# KiCad board SparkPNT_GPSDO_panelized.kicad_pcb (continued)
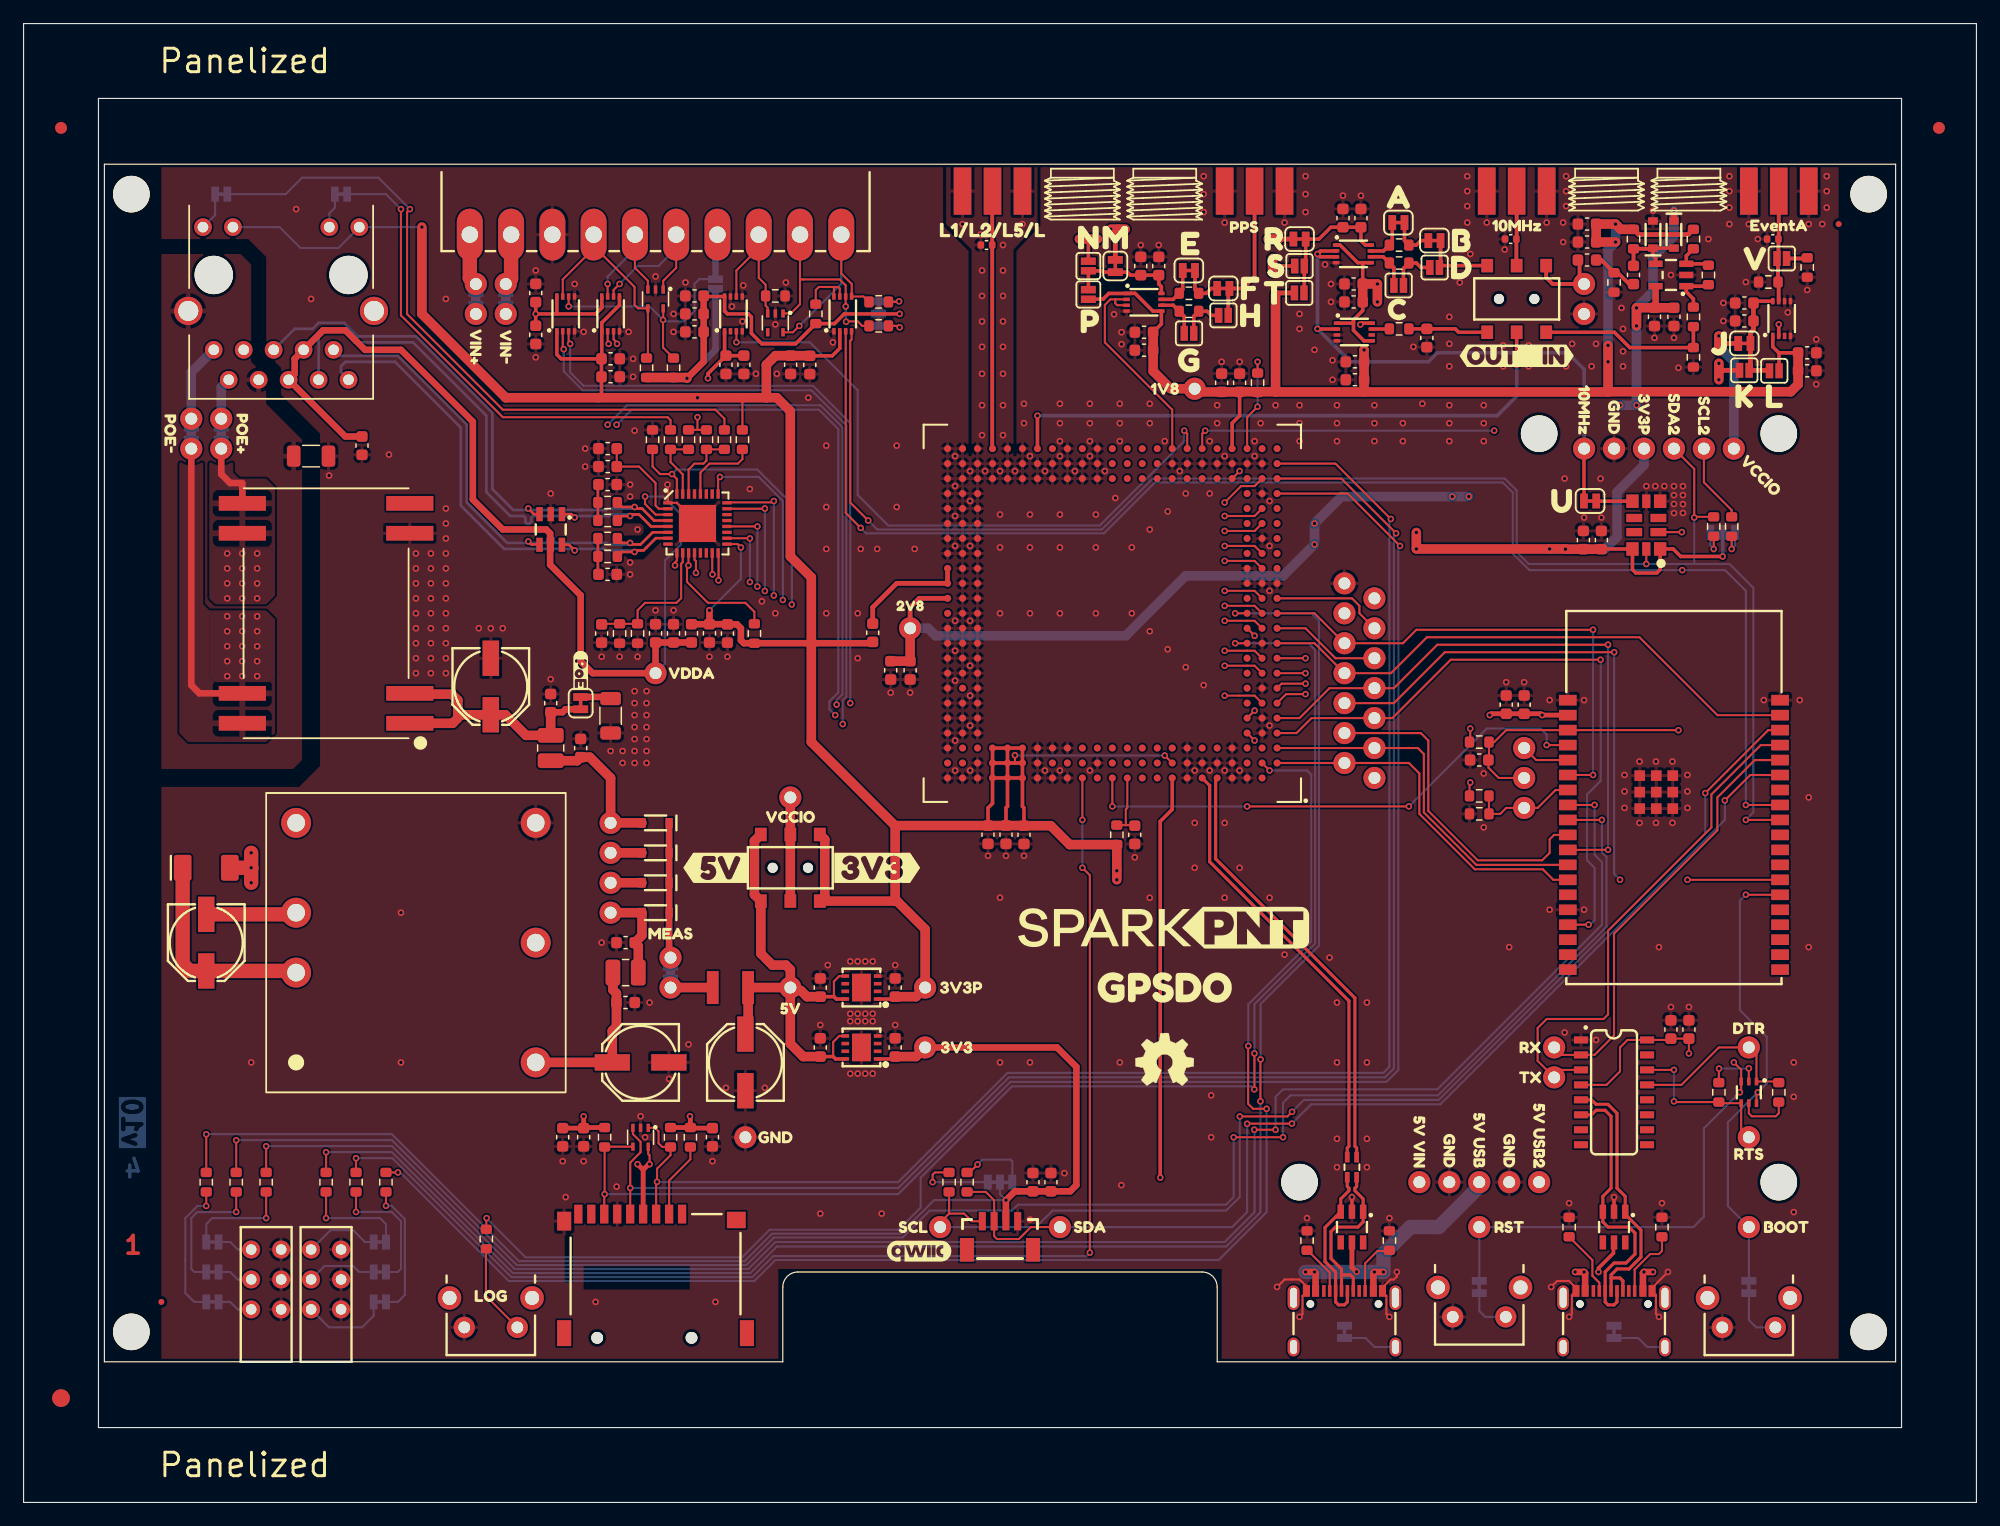
[diagram p0: board, top side]
## Nets (continued)
GND: C1.2 C2.2 C3.1 C4.2 C5.2 C6.2 C7.2 C8.2 C9.2 C10.2 C11.1 C12.2 C13.2 C14.2 C15.2 C16.2 C17.2 C18.2 C19.2 C20.2 C21.2 C22.2 C23.2 C24.2 C25.2 C26.2 C27.2 C28.2 C29.2 C30.2 C31.2 C32.2 C33.2 C34.2 C36.2 C37.2 C38.2 C39.2 C40.2 C41.2 C42.2 C43.2 C44.2 C45.2 C46.2 C47.2 C48.2 C49.2 C50.2 C51.2 C52.2 C53.2 C54.2 C55.2 C56.2 C57.2 C59.2 C60.2 C61.2 C62.2 C63.2 C64.2 C65.2 C66.2 C67.2 C68.2 C69.2 C70.2 C71.2 C72.2 C73.2 C74.2 D1.1 D2.2 D3.2 D6.2 D7.2 D11.CATHODE_1 D11.CATHODE_2 D11.CATHODE_3 D12.CATHODE_1 D12.CATHODE_2 D12.CATHODE_3 D13.2 D14.2 D15.1 D17.1 D18.A J1.2 J2.GND J3.2 J4.GND J6.6 J6.10 J7.1 J8.2 J9.8 J12.2 JP8.1 JP9.1 R8.2 R9.1 R10.1 R14.1 R15.1 R24.2 R25.2 R26.2 R36.1 R43.2 R44.2 R47.1 R50.1 R59.1 SW1.1 SW2.1 SW3.1 TP6.1 TP30.1 TP32.1 TP44.1 TP49.1 TP50.1 U1.1 U1.15 U1.38 U1.39.1 U1.39.2 U1.39.3 U1.39.4 U1.39.5 U1.39.6 U1.39.7 U1.39.8 U1.39.9 U2.A3 U2.A4 U2.A7 U2.A15 U2.A16 U2.A17 U2.A21 U2.A22 U2.A23 U2.AA13 U2.AA14 U2.AA15 U2.AA16 U2.AA17 U2.AA18 U2.AA19 U2.AA20 U2.AA21 U2.AA22 U2.AA23 U2.AB2 U2.AB3 U2.AB4 U2.AB5 U2.AB6 U2.AB7 U2.AB8 U2.AB13 U2.AB14 U2.AB15 U2.AB16 U2.AB17 U2.AB18 U2.AB19 U2.AB20 U2.AB21 U2.AB22 U2.AB23 U2.AC13 U2.AC15 U2.AC18 U2.AC19 U2.AC21 U2.AC22 U2.AC23 U2.B4 U2.B5 U2.B6 U2.B7 U2.B13 U2.B17 U2.B21 U2.C4 U2.C7 U2.C15 U2.C16 U2.C17 U2.C23 U2.D2 U2.D21 U2.D22 U2.D23 U2.E2 U2.E21 U2.E22 U2.E23 U2.F21 U2.F22 U2.F23 U2.G2 U2.G21 U2.G23 U2.H21 U2.H22 U2.H23 U2.J21 U2.J22 U2.J23 U2.K2 U2.K21 U2.K22 U2.K23 U2.L21 U2.L22 U2.L23 U2.M21 U2.M22 U2.N21 U2.N22 U2.P1 U2.P2 U2.P3 U2.P21 U2.P22 U2.R3 U2.R21 U2.R22 U2.T21 U2.T22 U2.T23 U2.U2 U2.U21 U2.U22 U2.U23 U2.V21 U2.V22 U2.V23 U2.W21 U2.W22 U2.W23 U2.Y2 U2.Y21 U2.Y22 U2.Y23 U3.1 U4.1 U4.EP U5.4 U5.9 U6.4 U7.3 U8.4 U9.4 U9.5 U10.4 U10.5 U10.6 U11.4 U11.9 U12.4 U12.5 U12.7 U13.4 U13.5 U14.3 U14.4 U15.4 U16.4 U17.2 U18.1
GND-ISO: C9.1 J5.7 J5.S1 J5.S2
VCCIO: C41.1 C42.1 C45.1 C46.1 C53.1 J.1.2 JP15.2 JP22.2 M.1.2 R16.1 R41.1 R53.2 R.1.2 SW4.2 SW4.5 TP40.1 TP48.1 U8.8 U9.8 U12.8
VDDA: C10.1 C26.1 C27.1 D6.5 J5.4 J5.5 L2.1 TP23.1 U4.3
VIN+: JP4.2 U7.5 U7.6
VIN-: JP5.2 U7.7 U7.8
VIN_DC: C34.1 D9.A L3.2 TP2.1
VIN_POE: C38.1 D10.A L4.2 TP3.1
10MHz: TP33.1 U14.2 U15.2 U15.3 U.1.2
10MHz_1.8V: C55.1 R30.1 SW5.3
10MHz_IN: C75.1 SW5.4 TP42.1
10MHz_IN_1.8V: R58.1 R59.2 SW5.1
10MHz_IN_OUT: D17.2 J8.1 SW5.5
10MHz_OUT: B.1.2 D.1.2 SW5.6
CH340-~{DTR}: Q1.1 R2.2 TP38.1 U3.13
CH340-~{RTS}: Q1.4 R3.2 TP39.1 U3.14
DC_IN+: J9.10 JP2.1
DC_IN-: J9.9 JP3.1
ESP0/BOOT: JP11.2 Q1.6 TP36.1 U1.25
ESP1/CH340-RX: TP35.1 U1.35 U3.3
ESP3/CH340-TX: TP34.1 U1.34 U3.2
ESP4/MTX4: TP11.1 U1.26 U2.E3
ESP13/MTX1: TP13.1 U1.16 U2.D1
ESP14/MRX1: TP12.1 U1.13 U2.B1
ESP18/SDA2: R31.2 TP28.1 U1.30 U13.10 U18.4
ESP19/SCL2: R32.2 TP27.1 U1.31 U13.2 U18.3
ESP21/SDA: J7.3 R4.1 TP26.1 U1.33
ESP22/SCL: J7.4 R6.1 TP25.1 U1.36
ESP23/MRX3: TP16.1 U1.37 U2.K1
ESP25/MRX4: TP10.1 U1.10 U2.D3
ESP26/MCTS1: TP15.1 U1.11 U2.E1
ESP27/MRTS1: TP14.1 U1.12 U2.C1
ESP32/LED_ERROR: R12.2 U1.8
ESP33/LED_LOCK: R13.2 U1.9
ESP34/MTX3: TP17.1 U1.6 U2.M1
ESP35/DeviceSense: R7.2 R8.1 TP24.1 U1.7
ESP36/MRDY: U1.4 U2.A12
ESP_DM: D3.3 J4.A7 J4.B7 U3.6
ESP_DP: D3.1 J4.A6 J4.B6 U3.5
ESP_~{RST}: C8.1 JP10.2 Q1.3 R1.2 TP1.1 TP37.1 U1.3
ETH_CLK: U2.AA2 U4.9
ETH_MDC: U2.V2 U4.12
ETH_MDIO: R33.2 U2.W2 U4.11
ETH_RXD0: U2.R2 U4.16
ETH_RXD1: U2.T2 U4.15
ETH_RXDV: U2.N2 U4.18
ETH_RXER: U2.M2 U4.20
ETH_TXD0: U2.J2 U4.24
ETH_TXD1: U2.H2 U4.25
ETH_TXEN: U2.L2 U4.23
ETH_~{RST}: R24.1 U2.F2 U4.32
LED_LOG: R42.2 U2.B2
LED_PVT: R40.2 U2.A14
LED_RTK: R39.2 U2.M3
LINK: R18.1 R34.2 U4.30
LOG_BTN: R37.1 U2.K3
MCTS2: U2.J1 U9.3
MCTS2_I: D13.5 J9.4 JP15.1 R16.2 U9.6
MEventA_1V8: U2.AC6 U10.2
MEventB_1V8: U2.AC7 U12.3
MEventB_I: D14.3 J9.3 R44.1 U12.6
MOSAIC_DM: TR1.2 U2.A6
MOSAIC_DP: TR1.4 U2.A5
MOSAIC_RF_IN: D1.2 J1.1 U2.AC20
MPPS_1V8: U2.AC8 U16.2 U16.3
MRTS2: U2.G1 U8.3
MRTS2_O: D13.1 J9.5 U8.6
MRX2: U2.F1 U9.2
MRX2_I: D13.4 J9.7 R41.2 U9.7
MTX2: U2.H1 U8.2
MTX2_O: D13.3 J9.6 U8.7
POE+: J5.9 JP4.1
POE-: J5.10 JP5.1
RD+: D6.1 J5.3 R22.1 U4.5
RD-: D6.3 J5.6 R21.1 U4.4
REF_IN: SW5.2 U2.AC17
SCL2_IO: D14.1 J9.2 R55.1 U18.6
SD_CLK: D7.3 J6.5 U2.AA1
SD_CMD: D7.1 J6.3 R28.1 U2.AB1
SD_DATA: D7.4 J6.7 R29.1 U2.Y1
SDA2_IO: D14.5 J9.1 R54.1 U18.5
SPEED: R17.1 R35.2 U4.31
TD+: D6.6 J5.1 R19.2 U4.7
TD-: D6.4 J5.2 R20.2 U4.6
VANT: L1.2 U2.P23 U2.R23
VUSB: D2.5 D4.A J2.VBUS TP8.1 TP46.1 U2.A8
VUSB2: D3.5 D5.A J4.VBUS TP9.1 TP47.1
Net-(A.1-A): A.1.1 R46.2 U15.7
Net-(A.1-B): A.1.2 B.1.1 R46.1
Net-(C11-Pad2): C11.2 R19.1 R20.1
Net-(C12-Pad1): C12.1 R21.2 R22.2
Net-(C75-Pad2): C75.2 C76.1 R50.2
Net-(C.1-A): C.1.1 R49.2 U15.6
Net-(C.1-B): C.1.2 D.1.1 R49.1
Net-(D2-I/O1): D2.1 J2.A6 J2.B6 TR1.3
Net-(D2-I/O2): D2.3 J2.A7 J2.B7 TR1.1
Net-(D15-A2): D15.2 J3.1 R43.1 U10.7 V.1.2
Net-(E.1-A): E.1.1 R45.2 U16.7
Net-(E.1-B): E.1.2 F.1.1 R45.1
Net-(F.1-B): F.1.2 H.1.2 J12.1
Net-(G.1-A): G.1.1 R48.2 U16.6
Net-(G.1-B): G.1.2 H.1.1 R48.1
Net-(J2-CC1): J2.A5 R9.2
Net-(J2-CC2): J2.B5 R10.2
Net-(J2-SHIELD): J2.S JP8.2
Net-(J4-CC1): J4.A5 R15.2
Net-(J4-CC2): J4.B5 R14.2
Net-(J4-SHIELD): J4.S JP9.2
Net-(J5-GRN-): J5.14 JP13.1
Net-(J5-YLW-): J5.12 JP12.1
Net-(J6-DAT3/CD): J6.2 R27.1
Net-(J.1-A): C61.1 C63.1 J.1.1 K.1.1 L.1.1 U10.8
Net-(JP1-A): JP1.1 R6.2
Net-(JP1-B): JP1.3 R4.2
Net-(JP2-B): D8.A JP2.2
Net-(JP3-B): C35.2 JP3.2 U6.2
Net-(JP6-A): D4.C D5.C D9.C D10.C JP6.1
Net-(JP6-B): F1.2 JP6.2
Net-(JP7-A): JP7.1 R36.2
Net-(JP7-B): C36.1 C37.1 JP7.2 L4.1 U7.1 U7.2
Net-(JP10-A): JP10.1 SW1.2
Net-(JP11-A): JP11.1 SW2.2
Net-(JP12-B): JP12.2 R17.2
Net-(JP13-B): JP13.2 R18.2
Net-(JP14-A): JP14.1 R32.1
Net-(JP14-B): JP14.3 R31.1
Net-(JP16-A): JP16.1 R12.1
Net-(JP16-B): D11.ANODE_1 JP16.2
Net-(JP17-A): JP17.1 R13.1
Net-(JP17-B): D11.ANODE_2 JP17.2
Net-(JP18-A): JP18.1 R38.1
Net-(JP18-B): D11.ANODE_3 JP18.2
Net-(JP19-A): JP19.1 R39.1
Net-(JP19-B): D12.ANODE_1 JP19.2
Net-(JP20-A): JP20.1 R40.1
Net-(JP20-B): D12.ANODE_2 JP20.2
Net-(JP21-A): JP21.1 R42.1
Net-(JP21-B): D12.ANODE_3 JP21.2
Net-(JP22-A): JP22.1 R55.2
Net-(JP22-B): JP22.3 R54.2
Net-(M.1-A): C65.1 C67.1 M.1.1 N.1.1 P.1.1 U16.8
Net-(Q1A-B1): Q1.2 R3.1
Net-(Q1B-B2): Q1.5 R2.1
Net-(R37-Pad2): R37.2 SW3.2
Net-(R52-Pad1): R52.1 R58.2 U17.1
Net-(R.1-A): C49.1 C51.1 R.1.1 S.1.1 T.1.1 U15.8
Net-(U1-IA39): TP43.1 U1.5
Net-(U2-COM3_CTS): TP19.1 U2.N1
Net-(U2-COM3_RTS): TP18.1 U2.L1
Net-(U2-GPIO_1): TP20.1 U2.AA4
Net-(U2-GPIO_2): TP21.1 U2.L3
Net-(U2-SYNC): R5.1 U2.AC3
Net-(U2-~{RESET}): C3.2 R11.1 U2.A11
Net-(U4-COL/CONFIG0): R23.1 U4.28
Net-(U4-REXT): C15.1 R25.1 R26.1 U4.10
Net-(U4-VDDP_1.8): C13.1 C14.1 U4.2
Net-(U6-VIN+): C35.1 D8.C U6.1
Net-(U6-VOUT+): C32.1 C33.1 L3.1 TP45.1 U6.6
Net-(U14-1B): R30.2 U14.7
Net-(U17-+): R52.2 R57.2 U17.3
Net-(U17--): C76.2 D16.A D18.C R56.2 U17.4
Net-(U18-EN): R53.1 U18.7 U18.8
Net-(U.1-A): U13.6 U.1.1
Net-(V.1-A): R47.2 V.1.1

Pads without a net: D2 4 6; D3 4 6; D14 4; J2 A8 B8 NC1 NC2 NC3; J4 A8 B8 NC1 NC2 NC3; J5 8; J6 1 8 9 11 12 13; J7 NC1 NC2; SW1 M1 M2; SW2 M1 M2; SW3 M1 M2; U1 14 17 18 19 20 21 22 23 24 27 28 29 32; U2 A2 A9 A10 A13 AA3 AA5 AA6 AA7 AA8 AA9 AA10 AA11 AA12 AB9 AB10 AB11 AB12 AC1 AC2 AC5 AC9 AC10 AC11 AC12 AC14 AC16 B3 B9 B10 B11 B12 B14 B15 B16 B22 B23 C2 C3 C5 C6 C8 C9 C10 C11 C12 C13 C14 C21 C22 F3 G3 G22 H3 J3 M23 N3 R1 T1 T3 U1 U3 V1 V3 W1 W3 Y3; U3 7 8 9 10 11 12 15; U4 8 13 14 19 21 22 26 27 29; U5 2 3 6 7; U6 3 5; U7 4; U10 3; U11 2 3 6 7; U12 2; U13 3 7 8; U14 6

## Via types
v1: diameter 0.56, hole 0.3, Top to Bottom, 692 vias

## Routing (per net, layer and track width the routed paths; a pad name or vN(x,y) marks a point on that pad's centre or on a via; arc(x,y) is an arc through that point)
1.8V: length 194.1
  Top w0.305: 59.56,97.29 61.08,97.29 ; 59.56,97.29 59.44,97.4 U12.1 ; 59.56,97.29 58.03,95.76 v1(58.03,95.37) ; U14.8 113.47,100.04 v1(113.36,99.93) ; 99.69,94.48 TP22.1 ; P.1.2 91.54,102.07 92.03,102.57 U16.1 93.87,102.57 93.89,102.58 94.25,102.58 95.76,101.07 U16.5 96.49,99.98 C66.1 ; 148.84,97.53 C62.1 ; 148.84,97.53 148.33,98.04 U10.1 ; 148.84,97.53 148.87,97.5 L.1.2 ; C19.1 103.12,92.19 102.49,91.56 U2.AC4
  Top w0.406: 106.17,102.48 106.29,102.61 T.1.2 ; R57.1 141.16,107.56 136.97,107.56 R56.1
  Top w0.813: 113.66,94.21 106.19,94.21 106.17,94.23 ; 113.66,94.21 134.34,94.21 134.36,94.23 ; 113.66,94.21 113.67,94.22 C68.1 C52.1 v1(113.67,97.77) 113.66,97.78 ; 106.17,94.23 104.71,94.23 R5.2 104.58,94.23 103.13,94.23 C19.1 C18.1 99.58,94.21 TP22.1 97.28,94.48 95.78,95.97 C64.1 C66.1 ; 106.17,94.23 106.17,102.48 ; 134.36,94.23 149.86,94.23 150.48,94.85 C59.1 C62.1 ; 134.36,94.23 v1(134.36,98.16) ; v1(135,106.93) C72.1 C69.1 v1(135,108.45) 135.44,108.01 R56.1
  In2.Cu w0.305: v1(58.03,95.37) 58.92,94.48 63.62,94.48 65.15,92.96 65.15,82.8 66.16,81.78 93.47,81.78 99.31,87.62 TP22.1
  In2.Cu w0.813: v1(113.67,97.77) 113.36,98.09 v1(113.36,99.93)
  Bottom w0.813: v1(135,108.45) v1(135,106.93) 134.36,106.29 v1(134.36,98.16) v1(134.36,96.77)
2.8V: length 177.3
  Top w0.305: N.1.2 90.29,107.18 ; S.1.2 105.91,104.89
  Top w0.406: U2.N23 75.94,76.7 75.18,75.94 TP41.1 ; v1(143.76,96.64) 143.76,96.04 K.1.2
  Top w0.559: U17.5 138.4,101.45 C70.1 ; v1(139.95,109.59) D16.C
  Top w0.813: C73.1 C74.1 TP41.1 ; v1(89.53,107.18) v1(91.06,107.18) ; C71.1 C70.1 136.79,101.35 v1(136.78,101.34) v1(136.78,99.81) ; v1(143.76,96.64) v1(143.76,95.24) ; v1(105.91,105.53) v1(105.91,104.39)
  In2.Cu w0.813: v1(143.76,96.64) v1(143.76,95.24) 142.74,94.23 137.92,94.23 v1(136.78,93.08) v1(135.38,93.08) 134.23,94.23 123.7,94.23 122.55,93.08 v1(122.55,85.34) v1(121.15,85.34) ; v1(109.47,81.27) v1(109.47,83.05) 109.47,94.99 105.91,98.54 v1(105.91,104.39) v1(105.91,105.53) 92.83,105.53 91.18,107.18 90.29,107.18 ; 90.29,107.18 v1(91.06,107.18) ; 90.29,107.18 v1(89.53,107.18)
  Bottom w0.813: v1(139.95,109.59) 139.95,107.43 138.17,105.66 138.17,102.74 v1(136.78,101.34) v1(136.78,93.08) v1(135.38,93.08) ; v1(122.55,85.34) 111.76,85.34 v1(109.47,83.05) v1(109.47,81.27) 106.8,78.61 98.55,78.61 93.47,73.53 77.34,73.53 76.7,74.16 TP41.1
3.3V: length 235.9
  Top w0.178: R1.1 122.68,64.57 v1(122.68,65.65) ; v1(122.68,61.08) 122.62,61.02 R7.1 ; R38.2 v1(15.49,31.23) ; U3.4 134.24,35.43 135.38,36.57 135.38,38.6 136.01,39.24 U3.16 139.58,39.24 139.7,39.35 141.22,39.35 v1(141.22,38.09)
  Top w0.305: 73.91,37.83 73.71,37.63 U11.1
  Top w0.406: U1.2 128.78,66.79 v1(128.77,66.79) 128.66,66.91 C1.1 C2.1 124.44,66.91 v1(124.33,66.79)
  Top w0.559: TP5.1 87.63,38.6 89.28,36.95 89.28,26.92 88.76,26.4 C60.1 C54.1 84.34,26.4 84.32,26.41 84.07,26.41 v1(83.31,25.65) 83.3,25.64 J7.2
  Top w0.813: 73.91,37.83 75.68,37.83 TP5.1
  In2.Cu w0.813: 122.68,42.16 120.9,40.38 78.23,40.38 TP5.1 ; 122.68,42.16 137.16,42.16 v1(141.22,38.09) ; 122.68,42.16 v1(122.68,65.65) 123.82,66.79 v1(124.33,66.79) v1(128.77,66.79)
  Bottom w0.178: JP1.2 82.8,26.15 v1(83.31,25.65) 77.21,25.65 74.37,22.8 63.49,22.8 61.15,20.46 42.01,20.46 31.22,31.25 15.5,31.25 v1(15.49,31.23)
3.3V_P: length 444.3
  Top w0.178: D7.5 52.97,29.57 53.08,29.46 v1(53.08,28.69) ; 49,99.33 U8.1 ; 57.15,90.99 R34.1 ; 57.15,90.99 R35.1 ; 57.15,90.99 v1(57.15,92.07) ; 133.82,80.89 C48.1 ; R23.2 60.96,93.72 ; 56.54,32.73 v1(56.51,32.76) ; v1(84.07,63.39) 84.07,62.73 ; v1(60.83,81.02) 60.55,81.3 U4.17 ; 49,93.96 48.76,93.72 ; U2.B8 v1(96.77,63.37) ; 56.59,31.76 R27.2
  Top w0.305: U2.B19 U2.B20 ; U2.B19 U2.A19 ; U2.B19 U2.C19 ; U2.B19 U2.B18 ; U2.B20 U2.C20 U2.C19 ; U2.B20 U2.A20 ; U2.A18 U2.A19 ; U2.A18 U2.B18 ; U2.A18 84.71,59.05 84.83,58.92 C29.1 ; U2.A19 U2.A20 ; U2.A19 83.44,59.05 83.31,58.92 C17.1 ; U9.1 45.22,97.39 45.59,97.02 C39.1 ; 113.53,105.17 113.56,105.15 C50.1 ; 113.53,105.17 U15.5 ; 113.53,105.17 113.14,105.17 111.64,106.67 U15.1 ; 112.77,100.07 112.75,100.04 U14.1 ; 112.77,100.07 112.77,99.43 113.66,98.54 U14.5 ; 112.77,100.07 112.77,100.32 113.56,101.11 C24.1 ; U18.2 69.22,97.91 68.58,97.27 C57.1 ; U2.B18 U2.C18 U2.C19 ; U8.5 50.53,101.58 49.03,100.08 U8.1 49.03,97.05 C39.1 ; C39.1 C40.1 49,93.96 ; 133.82,80.89 U13.9 136.43,79.14 136.72,78.85 138.5,78.85 138.78,79.14 U13.1 139.89,80.89 140.53,80.25 v1(144.08,80.25) ; U2.A20 82.16,59.3 81.78,58.92 C16.1 ; 73.91,42.91 73.71,42.71 U5.1
  Top w0.406: 56.54,32.73 R27.2 R28.2 ; v1(53.08,28.69) 53.01,28.69 52.54,28.22 ; R29.2 47.54,31.81 C30.1 ; C28.1 C30.1 ; C30.1 v1(47.49,32.76) ; C31.1 56.59,31.76 ; 52.54,28.22 v1(52.07,28.69) ; 52.54,28.22 J6.4
  Top w0.559: C23.1 59.67,74.5 C25.1 60.5,74.49 60.83,74.16 60.83,73.14 61.08,72.89 R33.1 71.89,72.89 L1.1 ; C23.1 L2.2 ; C23.1 v1(58.16,75.68)
  Top w0.813: 73.91,42.91 75.68,42.91 TP7.1 76.45,48.63 74.07,51.02 73.88,51.02 ; v1(114.8,101.85) v1(114.8,103.37) C50.1 C24.1 ; 62.99,93.72 62.99,96.51 63.76,97.29 66.66,97.29 C57.1 ; 62.99,93.72 40.89,93.72 33.78,100.83 v1(33.78,108.2) ; 62.99,93.72 63.88,93.72 65.02,92.58 65.02,80.26 66.8,78.48 66.8,64.51 73.88,57.42 73.91,57.42 ; C48.1 C47.1 v1(130.75,80.87) ; 73.88,51.02 73.91,51.05 73.91,57.42 ; 73.88,51.02 SW4.1 67.94,51.44 67.94,56.24 SW4.4 ; v1(130.75,80.87) 130.73,80.89 v1(129.41,80.89) v1(118.11,80.89) v1(118.11,82.29) ; v1(130.75,80.87) 130.74,80.88 ; 73.91,57.42 C16.1 C17.1 84.82,57.42 C29.1 87.1,57.41 88.71,55.81 R11.2 v1(92.71,53.59) v1(92.71,52.82) ; 136.41,80.87 U13.9
  In2.Cu w0.178: v1(57.15,92.07) v1(57.15,93.72)
  In2.Cu w0.813: v1(114.8,101.85) v1(114.8,103.37) ; v1(114.8,101.85) 114.8,95.62 118.11,92.32 v1(118.11,82.29) v1(118.11,80.89) 118.11,65.02 TP29.1 108.96,55.87 98.42,55.87 95.37,52.82 v1(92.71,52.82) v1(92.71,53.59) ; v1(114.8,101.85) 114.8,101.47 ; v1(47.49,32.76) 51.56,28.69 v1(52.07,28.69) v1(53.08,28.69) 53.84,28.69 56.51,31.36 v1(56.51,32.76) 56.51,36.7 61.46,41.65 66.8,41.65 68.83,43.68 TP7.1
  Bottom w0.178: v1(58.16,75.68) 60.83,78.35 v1(60.83,81.02) ; v1(33.78,108.2) 33.77,108.19 J5.11 26.7,106.42 23.49,106.42 21.72,108.19 J5.13 ; v1(96.77,63.37) 84.1,63.37 v1(84.07,63.39)
  Bottom w0.305: v1(144.08,80.25) JP14.2
  Bottom w0.813: TP31.1 137.41,88 135.12,85.72 135.12,81.91 134.09,80.87 v1(130.75,80.87) 129.43,80.87 v1(129.41,80.89)
5V: length 42.7
  Top w0.178: 68.72,42.91 68.72,44.2 69.17,44.66 U5.5 ; U11.5 69.17,39.58 68.65,39.06 68.65,37.83
  Top w0.305: 67.56,37.83 68.65,37.83 68.85,37.63 U11.8 ; U5.8 68.92,42.71 68.72,42.91 67.56,42.91
  Top w0.813: TP4.1 F1.1 61.44,39.96 C6.1 ; TP4.1 65.02,38.92 66.11,37.83 67.56,37.83 ; TP4.1 65.02,45.2 64.64,45.59 63.5,45.59 62.52,46.56 SW4.3 61.97,51.56 61.97,56.12 SW4.6 ; TP4.1 65.27,43.43 65.91,43.43 66.43,42.91 67.56,42.91
GND: length 27.7
  Top w0.178: v1(138.68,15.74) 138.42,16 138.42,17.61 J4.GND 138.09,18.2 v1(139.44,19.55) ; v1(54.61,86.35) 54.65,86.31 U4.1 55.4,84.8 U4.EP ; v1(131.06,15.74) 131.29,15.97 131.29,17.59 J4.GND 131.65,18.2 131.06,18.79 130.04,18.79 v1(129.54,18.28) ; v1(116.46,19.55) 116.46,19.17 116.2,18.92 115.92,18.92 115.24,18.23 115.24,17.85 115.57,17.52 115.57,15.99 v1(115.82,15.74) ; v1(106.29,18.28) 106.93,18.92 108.2,18.92 108.78,18.33 J2.GND 108.78,17.85 108.45,17.52 108.45,15.99 v1(108.2,15.74)
  Top w0.305: D3.2 v1(134.87,25.9) ; D2.2 v1(112.65,25.9)
  vias: v1(19.3,37.33) v1(23.11,109.72) v1(24.38,102.1) v1(25.9,87.11) v1(30.98,88.89) v1(32,50.03) v1(32,37.33) v1(33.27,80.51) v1(33.27,79.24) v1(33.27,77.97) v1(33.27,76.7) v1(33.27,75.43) v1(33.27,74.16) v1(33.27,72.89) v1(33.27,71.62) v1(33.27,70.35) v1(34.54,80.51) v1(34.54,79.24) v1(34.54,77.97) v1(34.54,76.7) v1(34.54,75.43) v1(34.54,74.16) v1(34.54,72.89) v1(34.54,71.62) v1(34.54,70.35) v1(35.81,102.1) v1(35.81,84.32) v1(35.81,83.05) v1(35.81,81.78) v1(35.81,80.51) v1(35.81,79.24) v1(35.81,77.97) v1(35.81,76.7) v1(35.81,75.43) v1(35.81,74.16) v1(35.81,72.89) v1(35.81,71.62) v1(35.81,70.35) v1(38.6,74.16) v1(39.62,74.16) v1(40.64,74.16) v1(43.43,104.51) v1(43.43,97.15) v1(44.7,85.59) v1(44.7,69.84) v1(45.72,28.95) v1(45.97,25.9) v1(46.73,103.37) v1(47.49,99.31) v1(47.49,28.95) v1(47.62,89.4) v1(47.62,87.88) v1(48.51,17.01) v1(49.02,71.75) v1(49.02,47.49) v1(49.78,63.75) v1(50.29,26.79) v1(50.54,71.75) v1(50.8,63.75) v1(50.8,62.73) v1(51.3,99.31) v1(51.43,86.35) v1(51.43,85.34) v1(51.43,79.75) v1(51.43,78.73) v1(51.69,97.02) v1(51.69,95.5) v1(51.81,90.92) v1(51.81,68.83) v1(51.81,67.81) v1(51.81,66.79) v1(51.81,65.78) v1(51.81,64.76) v1(51.81,63.75) v1(51.81,62.73) v1(52.07,82.54) v1(52.07,71.75) v1(52.32,32.76) v1(52.7,30.98) v1(52.83,68.83) v1(52.83,67.81) v1(52.83,66.79) v1(52.83,65.78) v1(52.83,64.76) v1(52.83,63.75) v1(52.83,62.73) v1(53.08,42.41) v1(53.59,104.01) v1(53.59,75.68) v1(54.73,35.93) v1(55.11,100.83) v1(55.11,99.31) v1(55.11,75.68) v1(56.13,103.5) v1(56.38,38.85) v1(58.16,71.75) v1(58.42,28.95) v1(58.67,17.01) v1(59.56,35.17) v1(59.69,71.75) v1(60.07,101.47) v1(61.03,103.24) v1(60.96,100.2) v1(61.59,85.97) v1(62.1,95.75) v1(62.61,76.45) v1(62.86,35.17) v1(63.75,99.94) v1(63.75,75.43) v1(63.88,95.75) v1(64.64,103.5) v1(66.54,93.72) v1(67.56,40.51) v1(67.56,24.5) v1(68.07,89.65) v1(68.07,84.45) v1(68.07,80.89) v1(68.07,75.43) v1(68.19,45.59) v1(68.63,98.42) v1(70.1,45.9) v1(70.1,41.46) v1(70.1,40.82) v1(70.1,36.38) v1(70.74,75.43) v1(70.74,71.62) v1(70.74,45.9) v1(70.74,41.46) v1(70.74,40.82) v1(70.74,36.38) v1(70.99,80.89) v1(71.37,45.9) v1(71.37,41.46) v1(71.37,40.82) v1(71.37,36.38) v1(72,45.9) v1(72,41.46) v1(72,40.82) v1(72,36.38) v1(72.39,80.89) v1(72.77,24.5) v1(73.53,68.7) v1(73.91,45.59) v1(73.91,40.51) v1(74.04,89.65) v1(74.04,84.45) v1(75.18,68.7) v1(75.56,80.89) v1(78.99,88.77) v1(78.99,86.23) v1(78.99,83.69) v1(78.99,81.15) v1(78.99,74.8) v1(78.99,72.26) v1(78.99,69.72) v1(78.99,64.64) v1(78.99,62.1) v1(79.62,108.45) v1(80.26,87.5) v1(80.26,84.96) v1(80.26,81.15) v1(80.26,74.8) v1(80.26,70.99) v1(80.26,68.45) v1(80.26,65.91) v1(80.26,62.1) v1(81.15,107.56) v1(81.28,104.51) v1(81.28,102.35) v1(81.28,100.2) v1(81.28,98.04) v1(81.28,95.75) v1(81.28,93.08) v1(81.28,90.54) v1(81.53,87.5) v1(81.78,54.86) v1(82.8,87.5) v1(82.8,83.81) v1(82.8,81.02) v1(82.8,75.43) v1(82.8,51.3) v1(82.8,37.33) v1(83.05,106.67) v1(83.05,104.51) v1(83.05,102.35) v1(83.05,100.2) v1(83.05,98.04) v1(83.05,95.75) v1(83.05,93.08) v1(83.05,90.54) v1(83.31,54.86) v1(84.07,87.5) v1(84.71,108.45) v1(84.83,93.21) v1(84.83,91.56) v1(84.83,54.86) v1(85.34,88.77) v1(85.34,83.81) v1(85.34,81.02) v1(85.34,75.43) v1(85.34,37.33) v1(85.34,24) v1(86.61,87.5) v1(86.61,62.1) v1(87.88,93.21) v1(87.88,91.56) v1(87.88,90.04) v1(87.88,88.77) v1(87.88,83.81) v1(87.88,81.02) v1(87.88,75.43) v1(87.88,62.1) v1(88.26,27.93) v1(89.15,87.5) v1(90.42,93.21) v1(90.42,91.56) v1(90.42,90.04) v1(90.42,88.77) v1(90.42,62.1) v1(90.93,83.81) v1(90.93,81.02) v1(90.93,75.43) v1(91.69,87.5) v1(92.47,100.8) v1(92.58,85.21) v1(92.96,93.21) v1(92.96,91.56) v1(92.96,90.04) v1(92.96,37.33) v1(93.1,99.28) v1(93.1,98.26) v1(93.09,26.92) v1(93.98,81.02) v1(93.98,75.43) v1(94.23,54.73) v1(94.74,106.67) v1(95.5,93.21) v1(95.5,91.56) v1(95.5,82.54) v1(95.5,73.91) v1(95.5,51.3) v1(95.5,37.33) v1(96.26,106.67) v1(96.77,90.04) v1(97.02,84.07) v1(97.02,72.38) v1(98.04,87.5) v1(98.55,85.59) v1(98.55,70.86) v1(99.31,62.1) v1(99.31,57.65) v1(99.31,53.84) v1(100.07,112.51) v1(100.07,110.99) v1(100.07,109.47) v1(100.07,69.33) v1(100.58,90.04) v1(100.58,85.59) v1(100.58,62.1) v1(100.71,34.54) v1(100.71,30.98) v1(101.22,93.08) v1(101.22,91.56) v1(101.6,96.77) v1(101.85,108.58) v1(101.85,88.77) v1(101.85,62.1) v1(101.85,57.65) v1(101.85,51.3) v1(103.12,96.77) v1(103.12,62.1) v1(103.12,53.84) v1(104.39,90.04) v1(104.39,88.77) v1(104.9,91.56) v1(105.66,84.96) v1(105.66,81.15) v1(105.66,77.34) v1(105.66,65.91) v1(105.66,51.3) v1(106.17,93.08) v1(106.93,108.58) v1(106.93,46.47) v1(108.2,100.83) v1(108.2,99.56) v1(108.2,93.08) v1(108.2,91.56) v1(108.2,90.04) v1(108.71,112.51) v1(108.71,110.99) v1(108.71,109.47) v1(108.84,24.12) v1(109.47,97.78) v1(110.36,105.02) v1(110.74,46.22) v1(110.87,103.37) v1(110.87,101.85) v1(110.99,96.89) v1(110.99,95.24) v1(111.38,93.08) v1(111.38,91.56) v1(111.38,90.04) v1(111.38,42.41) v1(111.38,37.33) v1(111.38,30.85) v1(111.38,28.44) v1(111.88,110.86) v1(113.41,110.86) v1(113.91,42.41) v1(113.91,37.33) v1(113.91,30.85) v1(113.91,28.44) v1(114.55,93.08) v1(114.55,91.56) v1(114.55,90.04) v1(115.82,24.12) v1(116.96,91.56) v1(116.96,90.04) v1(117.85,98.04) v1(118.61,93.21) v1(120.9,100.58) v1(120.9,98.29) v1(120.9,96.39) v1(120.9,93.08) v1(120.9,91.56) v1(120.9,90.04) v1(121.79,103.5) v1(122.42,112.51) v1(122.42,111.24) v1(122.42,109.97) v1(122.42,108.58) v1(122.68,105.91) v1(123.82,93.08) v1(123.82,91.56) v1(123.82,90.04) v1(123.82,61.84) v1(123.82,57.27) v1(124.07,108.58) v1(125.47,98.16) v1(125.47,96.39) v1(125.6,106.29) v1(125.73,69.59) v1(125.98,47.11) v1(127.25,69.59) v1(127.63,98.16) v1(127.63,96.39) v1(129.16,108.58) v1(129.41,68.06) v1(129.41,50.28) v1(130.55,108.58) v1(130.55,106.93) v1(130.68,86.86) v1(130.68,39.87) v1(130.81,112.51) v1(130.81,111.24) v1(130.81,109.97) v1(130.81,96.39) v1(131.06,25.39) v1(131.31,98.29) v1(132.33,83.55) v1(132.33,68.06) v1(132.33,50.28) v1(132.97,96.39) v1(133.35,98.29) v1(133.35,39.24) v1(133.73,86.86) v1(133.8,83.55) v1(135.5,101.34) v1(135.63,99.56) v1(135.63,97.66) v1(135.63,96.39) v1(135.76,61.71) v1(135.76,60.32) v1(135.76,58.92) v1(137.03,62.86) v1(137.03,57.65) v1(137.61,86.22) v1(138.17,109.59) v1(138.3,98.8) v1(138.37,86.22) v1(138.43,62.86) v1(138.43,57.65) v1(138.68,47.11) v1(138.93,25.39) v1(139.13,86.22) v1(139.7,104.13) v1(139.7,42.03) v1(139.82,62.86) v1(139.82,57.65) v1(139.95,98.8) v1(139.95,86.22) v1(139.95,85.46) v1(139.95,84.7) v1(139.95,83.93) v1(140.33,96.26) v1(140.71,86.22) v1(140.71,85.46) v1(140.71,84.69) v1(140.71,83.94) v1(141.09,61.71) v1(141.09,60.32) v1(141.09,58.92) v1(141.22,42.03) v1(142.87,107.18) v1(144.14,101.76) v1(144.14,100.23) v1(144.65,112.51) v1(144.65,111.24) v1(144.65,109.85) v1(144.65,108.45) v1(146.05,103.53) v1(146.3,108.45) v1(147.06,107.18) v1(147.57,68.06) v1(149.6,100.96) v1(150.11,37.33) v1(150.11,34.41) v1(150.11,24.63) v1(150.62,68.06) v1(151.25,102.86) v1(151.38,108.45) v1(151.38,59.81) v1(151.38,47.11) v1(152.01,98.67) v1(152.01,94.86) v1(152.52,108.45) v1(152.9,112.51) v1(152.9,111.24) v1(152.9,109.85)
VCCIO: length 307.7
  Top w0.178: 45.22,100.84 45.21,100.83
  Top w0.305: C45.1 57.72,102.31 U12.8 59.44,101.07 59.69,100.83 61.46,100.83 61.72,100.58 61.72,99.18 62.61,98.29 65.46,98.29 R53.2 68.77,100.01 69.59,100.83 v1(74.29,100.83) ; U9.8 45.22,100.84 ; U8.8 49.03,101.35 48.51,100.83 v1(43.43,100.83) ; v1(43.43,100.83) C41.1 ; v1(43.43,100.83) C42.1
  Top w0.406: 143.76,98.33 J.1.2 ; 92.83,108.02 92.58,107.76 M.1.2 ; R.1.2 v1(106.42,107.18)
  Top w0.559: C45.1 C46.1 C53.1 57.67,96.78 v1(56.26,95.37)
  Top w0.813: SW4.2 SW4.5 TP40.1 ; v1(105.53,107.18) v1(106.42,107.18) ; v1(93.42,108.02) v1(92.2,108.02) ; v1(143.76,98.96) v1(143.76,97.67) ; R41.1 R16.1 56.19,95.43 v1(56.26,95.37)
  In2.Cu w0.559: v1(56.26,95.37) 56.26,96.51 52.57,100.2 44.06,100.2 v1(43.43,100.83)
  In2.Cu w0.813: 119.63,95.37 119.63,53.08 116.58,50.03 74.8,50.03 TP40.1 65.02,72.26 60.45,76.83 55.37,76.83 53.97,78.22 53.97,79.62 56.26,81.91 v1(56.26,95.37) ; 119.63,95.37 117.47,95.37 116.46,96.39 116.46,105.53 114.8,107.18 98.83,107.18 97.99,108.02 v1(93.42,108.02) v1(92.2,108.02) ; 119.63,95.37 142.11,95.37 142.62,95.88 142.62,96.86 143.42,97.67 v1(143.76,97.67) v1(143.76,98.96)
  Bottom w0.178: JP22.2 74.27,100.86 v1(74.29,100.83)
  Bottom w0.559: v1(56.26,95.37) 58.67,97.78 JP15.2
  Bottom w0.813: TP48.1 145.03,96.77 144.13,97.67 v1(143.76,97.67) v1(143.76,98.96)
VDDA: length 89.2
  Top w0.178: U4.3 53.6,83.8 52.7,84.7 v1(52.7,85.34)
  Top w0.559: 56.64,72.95 53.59,72.95 TP23.1 48.26,70.35 47.24,71.37 47.24,76.95 44.65,79.54 44.65,82.21 44.32,82.54 40.64,82.54 38.1,85.08 38.1,91.69 32,97.78 28.95,97.78 27.3,99.43 25.4,99.43 J5.4 22.98,97.02 22.98,95.75 J5.5 27.29,90.43 C10.1
  Bottom w0.178: TP23.1 54.39,71.15 54.39,79.91 55.75,81.27 55.75,83.81 54.22,85.34 v1(52.7,85.34)
VIN+: length 6
  Top w0.559: U7.5 18.55,86.09 18.54,86.1 18.54,86.48 17.52,86.48 16.76,87.24 JP4.2
  vias: v1(17.27,80.51) v1(17.27,79.24) v1(17.27,77.97) v1(17.27,76.7) v1(18.54,80.51) v1(18.54,79.24) v1(18.54,77.97) v1(18.54,76.7) v1(19.81,80.51) v1(19.81,79.24) v1(19.81,77.97) v1(19.81,76.7)
VIN-: length 24.7
  Top w0.559: JP5.2 14.22,69.33 14.91,68.64 U7.7
  vias: v1(17.27,75.18) v1(17.27,73.91) v1(17.27,72.64) v1(17.27,71.37) v1(17.27,70.1) v1(18.54,75.18) v1(18.54,73.91) v1(18.54,72.64) v1(18.54,71.37) v1(18.54,70.1) v1(19.81,75.18) v1(19.81,73.91) v1(19.81,72.64) v1(19.81,71.37) v1(19.81,70.1)
VIN_DC: length 8.1
  Top w0.813: TP2.1 D9.A 52.44,48.11 51.82,47.49 52.12,47.19 L3.2
VIN_POE: length 12.4
  Top w0.813: D10.A TP3.1 49.78,61.46 48.01,63.23 C38.1 46.94,62.93 L4.2
10MHz: length 47.2
  Top w0.305: v1(109.72,99.56) 109.74,99.54 U14.2 ; TP33.1 132.32,89.39 U.1.2 ; U15.2 109.99,106.17 v1(109.72,105.91) 109.96,105.67 U15.3
  Bottom w0.305: TP33.1 132.33,96.13 130.93,97.53 119.88,97.53 119.12,96.77 112.52,96.77 v1(109.72,99.56) v1(109.72,105.91)
10MHz_1.8V: length 6.8
  Top w0.305: R30.1 C55.1 121.41,99.56 121.69,99.28 124.12,99.28
10MHz_IN: length 7.1
  Top w0.305: 129.12,104.92 SW5.4 ; TP42.1 132.08,103.62